# KiCad board beaglebone-ai-rev-a2.kicad_pcb (continued)
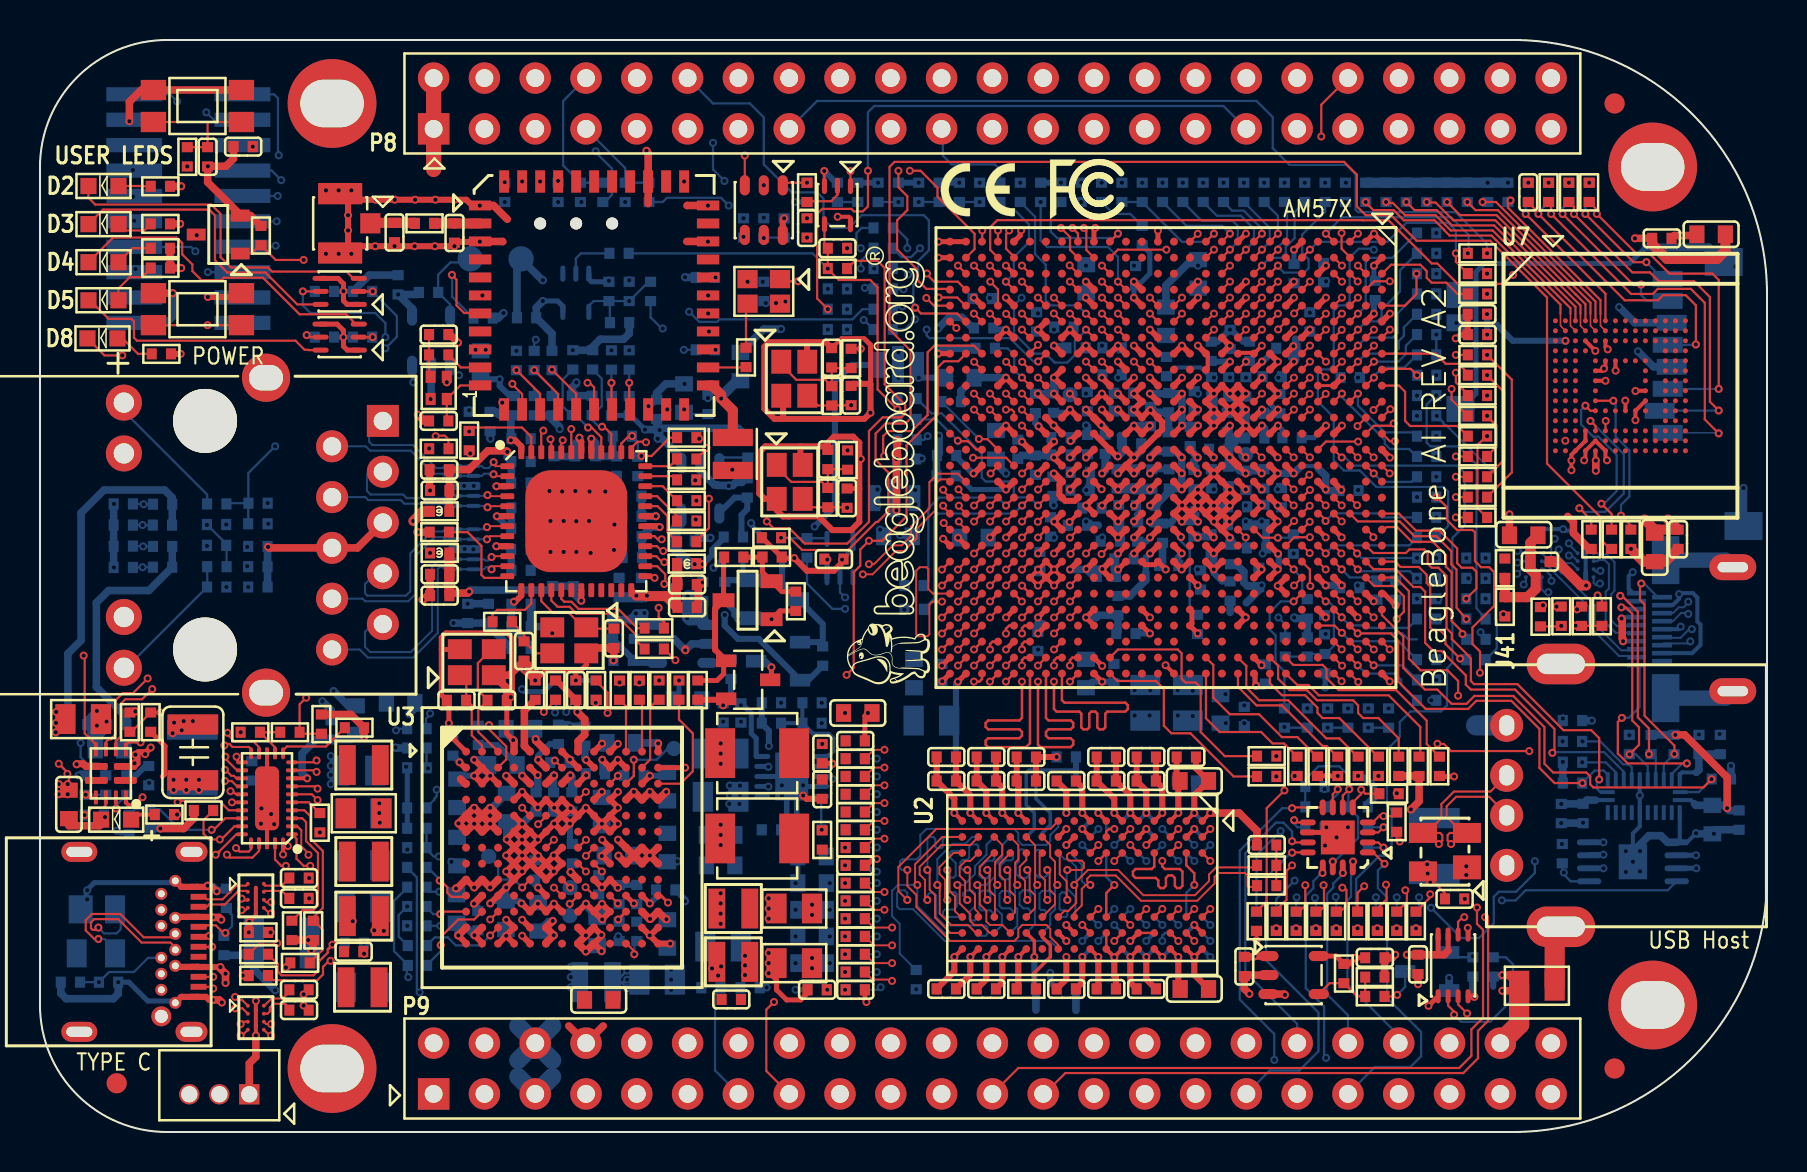
[diagram p0: board, top side]
## Routing (per net, layer and track width the routed paths; a pad name or vN(x,y) marks a point on that pad's centre or on a via; arc(x,y) is an arc through that point) (continued)
HDMI_CT_HPD: length 24.9
  TOP w0.114: v1(83.59,17.64) 83.18,17.23 77.67,17.23 77.52,17.39 77.52,17.78 77.32,17.98 75.67,17.98 75.23,18.42 75.23,20.25 73.67,21.81 71.73,21.81 71.33,21.41 70.59,21.41 69.88,22.12 69.25,22.12 68.17,23.2 68.17,24.78 67.1,25.85 U4.A24
  BOTTOM w0.114: U5.11 82.94,17 v1(83.59,17.64)
HDMI_DATA0N: length 97.8
  TOP w0.102: v1(45.93,32.14) 45.93,32.1 U4.AG17
  INT_L3 w0.102: v1(45.93,32.14) 45.75,32.14 45.67,32.22 45.67,32.51 45.44,32.74 44.78,32.74 44.37,32.34 44.37,31.41 43.55,30.58 42.85,30.58 42.39,30.12 42.39,29.62 41.86,29.08 41.1,29.08 39.57,27.56 39.57,24.34 37.49,22.25 37.49,15.9 35.66,14.08 35.66,6.68 36.83,5.51 38.12,5.51 38.61,5.03 38.61,4.29 39.52,3.38 43.21,3.38 43.85,4.03 43.85,4.48 44.63,5.26 59.18,5.26 59.92,5.99 68.48,5.99 69.75,7.26 69.75,8.23 70.84,9.32 70.84,13.46 71.5,14.12 71.5,20.45 72.95,21.89 72.95,23.63 74.98,25.67 76.09,25.67 76.45,26.03 76.45,27.14 77.36,28.04 77.36,28.92 76.99,29.29 76.61,29.29 v1(76.45,29.44)
  BOTTOM w0.102: U91.C1 76.89,28.95 76.45,29.38 v1(76.45,29.44)
HDMI_DATA0P: length 95.6
  TOP w0.102: v1(45.16,32.12) 45.16,32.07 U4.AH17
  INT_L3 w0.102: v1(45.16,32.12) 45.17,32.11 45.32,32.11 45.41,32.22 45.41,32.41 45.34,32.49 44.88,32.49 44.63,32.23 44.63,31.3 43.65,30.33 42.96,30.33 42.65,30.02 42.65,29.51 41.96,28.83 41.2,28.83 39.83,27.45 39.83,24.23 37.74,22.15 37.74,15.8 35.92,13.97 35.92,6.78 36.93,5.77 38.23,5.77 38.86,5.13 38.86,4.39 39.62,3.63 43.1,3.63 43.6,4.13 43.6,4.59 44.52,5.51 59.08,5.51 59.81,6.25 68.37,6.25 69.49,7.37 69.49,8.33 70.59,9.43 70.59,13.56 71.25,14.22 71.25,20.55 72.69,22 72.69,23.74 74.88,25.92 75.98,25.92 76.2,26.14 76.2,27.24 77.1,28.14 77.1,28.82 76.89,29.03 76.66,29.03 v1(76.45,28.83)
  BOTTOM w0.102: U91.C2 76.61,28.83 v1(76.45,28.83)
HDMI_DATA1N: length 78.3
  TOP w0.102: v1(45.95,31.32) 45.95,31.28 U4.AG18
  INT_L3 w0.102: v1(73.86,27.91) 73.86,27.72 72.43,26.29 70.86,26.29 70.28,25.71 70.28,21.77 68.98,20.47 68.73,20.47 66.7,18.44 61.57,18.44 61.19,18.06 61.19,11.3 60.07,10.19 60.07,8.36 58.64,6.93 44.2,6.93 43.4,6.14 41.08,6.14 40.87,6.35 40.87,14.66 40.46,15.07 40.46,19.81 41,20.34 41,22.28 41.68,22.96 41.68,27.52 45.07,30.91 45.54,30.91 v1(45.95,31.32)
  BOTTOM w0.102: U92.C3 74.1,28.15 73.92,27.97 73.91,27.97 v1(73.86,27.91)
HDMI_DATA1P: length 78.3
  TOP w0.102: U4.AH18 45.16,31.27 v1(45.16,31.32)
  INT_L3 w0.102: v1(74.19,27.38) 73.88,27.38 72.53,26.04 70.97,26.04 70.54,25.6 70.54,21.67 69.09,20.22 68.83,20.22 66.8,18.19 61.67,18.19 61.44,17.95 61.44,11.2 60.33,10.08 60.33,8.26 58.75,6.68 44.3,6.68 43.5,5.88 40.98,5.88 40.61,6.24 40.61,14.55 40.21,14.96 40.21,19.91 40.74,20.45 40.74,22.38 41.43,23.07 41.43,27.63 44.96,31.17 45.06,31.17 45.16,31.27 v1(45.16,31.32)
  BOTTOM w0.102: v1(74.19,27.38) 74.3,27.49 U92.C4
HDMI_DATA2N: length 76.7
  TOP w0.102: U4.AG19 45.95,30.48 v1(45.95,30.53)
  INT_L3 w0.102: v1(45.95,30.53) 45.49,30.07 45.03,30.07 42.32,27.36 42.32,20.57 41.45,19.71 41.45,7.32 41.88,6.88 42.49,6.88 43.43,7.82 44.78,7.82 45.01,7.59 58.26,7.59 59.28,8.61 59.28,10.57 60.45,11.74 60.45,18.39 61.54,19.48 66.67,19.48 68.76,21.57 68.76,25.76 69.29,26.29 69.29,26.95 69.62,27.28 72.39,27.28 72.77,27.66 72.77,28.5 73.17,28.91 73.74,28.91 v1(73.89,29.06)
  BOTTOM w0.102: v1(73.89,29.06) 74.07,29.06 74.18,28.95 U92.C1
HDMI_DATA2P: length 76.6
  TOP w0.102: v1(45.19,30.46) 45.19,30.46 45.19,30.45 45.29,30.35 45.29,30.34 U4.AH19
  INT_L3 w0.102: v1(45.19,30.46) 45.19,30.43 45.09,30.33 44.93,30.33 42.06,27.46 42.06,20.68 41.2,19.81 41.2,7.21 41.78,6.63 42.6,6.63 43.54,7.57 44.67,7.57 44.9,7.34 58.37,7.34 59.54,8.51 59.54,10.46 60.71,11.63 60.71,18.29 61.65,19.23 66.78,19.23 69.01,21.46 69.01,25.65 69.55,26.18 69.55,26.85 69.72,27.03 72.5,27.03 73.03,27.56 73.03,28.4 73.28,28.65 73.71,28.65 v1(73.89,28.47)
  BOTTOM w0.102: U92.C2 73.96,28.55 v1(73.89,28.47)
HDMI_DDC_CEC: length 21.6
  TOP w0.114: U4.B20 66.67,28.96 68.3,28.96 68.48,29.13 69.22,29.13 69.39,28.96 69.39,28.42 69.6,28.22 69.93,28.22 70.33,27.81 70.33,25.2 70.6,24.93 70.6,24.65 71.4,23.85 71.4,23.84 71.55,23.69 71.55,22.56 71.71,22.4 73.88,22.4 76.18,20.09 77.57,20.09 77.97,19.69 v1(77.97,17.63)
  BOTTOM w0.114: v1(77.97,17.63) 77.85,17.52 77.85,17.17 78.02,17 U5.24
HDMI_DDC_HPD: length 20.3
  TOP w0.114: v1(75.63,18.96) 75.73,19.06 75.73,20.16 73.76,22.13 71.55,22.13 71.3,22.38 71.3,22.83 70.08,24.05 69.67,24.05 69.27,24.46 69.27,27.03 69.04,27.25 68.68,27.25 67.79,28.14 66.69,28.14 U4.B21
  BOTTOM w0.114: v1(75.63,18.96) 75.66,18.96 75.69,19 78.22,19 79.2,18.01 U5.3
HDMI_DDC_SCL: length 22.5
  TOP w0.114: v1(77.13,17.45) 75.74,17.45 74.98,18.21 74.98,20.16 73.57,21.56 71.83,21.56 71.42,21.16 69.29,21.16 67.92,22.53 67.92,24.56 67.55,24.93 v1(65.89,24.93) U4.C25
  BOTTOM w0.114: 68.86,24.64 68.42,24.64 68.12,24.93 v1(65.89,24.93) ; U5.1 78.4,17.87 78.19,18.08 77.74,18.08 R62.2 v1(77.13,17.45)
HDMI_DDC_SDA: length 33.5
  TOP w0.114: U4.F17 63.48,32.11 63.5,32.11 63.5,32.11 v1(63.5,32.11)
  INT_L3 w0.102: v1(71.32,29.72) 71.53,29.92 71.53,32.69 71.09,33.12 68.55,33.12 67.99,32.55 64.18,32.55 63.74,32.12 63.51,32.12 v1(63.5,32.11)
  SIG_L8 w0.102: v1(77.12,18.49) 78.39,19.76 78.39,28.75 76.57,30.57 74.85,30.57 74.54,30.26 72.2,30.26 71.65,29.72 v1(71.32,29.72) 71.4,29.74
  BOTTOM w0.114: R63.2 77.13,18.48 78.3,18.48 78.8,17.99 U5.2
HDMI_LS_OE: length 32
  TOP w0.114: U4.F16 63.11,32.53 63.42,32.84 63.45,32.84 v1(63.47,32.87)
  INT_L3 w0.102: v1(63.47,32.87) 63.73,32.87 64.15,33.29 68.3,33.29 68.36,33.35 71.3,33.35 72.34,32.31 72.34,31.24 73.1,30.48 74.32,30.48 74.42,30.58 77.16,30.58 78.39,29.36 78.39,20.78 v1(77.14,19.54)
  BOTTOM w0.114: R61.2 78.02,19.53 79.17,18.39 79.45,18.39 79.6,18.23 U5.4
I2C1_SCL: length 137.6
  TOP w0.114: v1(68,14.53) 67.96,14.53 67.84,14.64 R706.1 ; R48.2 11.89,8.41 11.89,8.03 12.08,7.84 13.68,7.84 13.91,8.07 13.91,8.49 14.14,8.72 14.14,8.72 14.39,8.97 14.39,9.14 v1(14.63,9.37) 14.63,9.34 14.42,9.14 ; U4.C20 65.84,28.99 65.84,28.96 v1(65.86,28.93)
  SIG_L8 w0.102: v1(68.86,28.7) 69.47,28.09 69.47,27.46 69.65,27.28 69.98,27.28 70.84,26.42 70.84,25.63 71.2,25.27 71.42,25.27 71.58,25.12 71.58,24.17 71.6,24.15 71.6,21.64 71.04,21.08 71.04,19.23 70.08,18.26 70.08,16.1 68.5,14.53 v1(68,14.53) 68.02,14.5 68.02,13.03 68.63,12.42 68.63,11.91 68.3,11.58 68.3,9.91 68.07,9.68 67.69,9.68 67.08,9.07 67.08,6.43 66.12,5.46 52.25,5.46 51.79,5 51.79,3.89 51.26,3.35 34.47,3.35 33.81,4.01 33.81,5 33.35,5.46 19.94,5.46 17.88,7.52 16.23,7.52 14.78,6.07 14.25,6.07 14.07,6.25 14.07,8.76 14.42,9.12 14.42,9.14 14.63,9.34 v1(14.63,9.37)
  SIG_L10 w0.102: v1(18.36,11.28) 18.31,11.28 17.98,10.95 16.79,10.95 15.21,9.37 v1(14.63,9.37) 14.58,9.37 14.15,9.8 14.15,10.47 15.16,11.49 15.16,16.44 15.79,17.07 18,17.07 18.92,18 18.92,18.26 19.79,19.12 19.79,20.29 20.12,20.62 20.12,34.01 20.78,34.67 20.78,37.67 v1(20.96,37.85)
  BOTTOM w0.114: R146.1 17.93,9.78 17.93,10.85 v1(18.36,11.28) ; U9.1 20.51,38.29 v1(20.96,37.85) ; v1(65.86,28.93) 66.09,28.7 v1(68.86,28.7)
I2C1_SDA: length 125.4
  TOP w0.114: U4.C21 v1(65.89,28.13) ; v1(14.53,8.56) 14.5,8.53 14.43,8.53 14.15,8.26 14.15,7.88 13.87,7.59 11.66,7.59 11.43,7.82 R49.2
  SIG_L8 w0.102: v1(68.86,27.69) 68.86,27.38 69.24,27 69.24,26.34 69.55,26.04 70.15,26.04 70.36,25.83 70.36,25.43 70.54,25.25 70.54,19.48 68,16.94 v1(67.84,16.94) 67.67,16.94 66.57,15.85 66.57,12.12 66.4,11.94 66.4,6.63 65.68,5.92 51.56,5.92 51.1,5.46 36.5,5.46 36.04,5.92 20.82,5.92 18.99,7.75 v1(18.41,7.75)
  SIG_L10 w0.102: v1(18.41,7.75) 15.98,7.75 15.11,8.61 14.6,8.61 14.55,8.56 v1(14.53,8.56) 14.53,8.59 13.92,9.19 13.92,10.57 14.94,11.58 14.94,16.54 15.7,17.3 17.9,17.3 18.67,18.06 18.67,18.33 19.56,19.22 19.56,20.38 19.89,20.71 19.89,34.16 20.19,34.47 20.19,36.7 19.41,37.49 v1(18.67,37.49)
  BOTTOM w0.114: v1(18.41,7.75) 18.34,7.82 18.34,8.28 R145.1 ; R145.1 18.39,8.36 17.7,9.04 17.7,9.67 17.69,9.68 17.69,10.95 17.7,10.96 17.7,11.56 18.36,12.22 R149.1 ; R145.1 18.35,8.33 ; v1(65.89,28.13) 65.99,28.04 68.5,28.04 v1(68.86,27.69) ; v1(18.67,37.49) 18.61,37.55 U9.3
INT_ADC: length 67.4
  TOP w0.114: v1(40.34,22.86) 40.69,23.22 40.69,27.99 41.02,28.32 41.02,29.13 v1(41.45,29.57) 42.11,29.57 43.33,30.78 43.33,34.34 44.89,35.9 44.89,38.23 45.21,38.54 45.92,38.54 U4.AG8 ; v1(67.18,14.22) 66.93,14.48 66.4,14.48 U78.2
  SIG_L10 w0.102: v1(40.34,22.86) 40.34,21.62 40.72,21.23 40.72,15.52 41.02,15.21 41.02,7.37 41.53,6.86 42.99,6.86 44.45,8.32 50.74,8.32 51.12,7.94 58.42,7.94 61.21,10.73 65.21,10.73 66.6,12.12 66.6,13.64 v1(67.18,14.22)
  BOTTOM w0.114: R567.2 v1(67.18,14.22)
INT_TYPEC: length 71.3
  TOP w0.114: U4.AE6 v1(47.5,40.93)
  INT_L3 w0.102: v1(18.95,36.45) 20.14,35.26 20.14,28.78 18.06,26.7 16,26.7 14.88,25.58 14.17,25.58 13.54,24.95 13.54,22.68 12.93,22.07 12.93,21.42 10.24,18.73 10.24,16.33 9.88,15.98 8.15,15.98 7.67,15.49 6.48,15.49 6.38,15.6 4.37,15.6 v1(3.84,15.06) ; v1(22,36.55) 22,36.25 22.58,35.66 25.04,35.66 25.65,36.27 25.65,37.39 26.06,37.8 26.06,39.98 28.02,41.94 32.41,41.94 32.77,42.29 34.04,42.29 34.29,42.04 38.1,42.04 38.35,41.78 41.35,41.78 43.36,39.78 47.17,39.78 47.5,40.11 v1(47.5,40.93)
  SIG_L5 w0.102: v1(22,36.55) 22,36.12 21.53,35.65 19.75,35.65 v1(18.95,36.45)
  BOTTOM w0.114: v1(3.84,15.06) 4,14.9 R69.2
J14_MCASP_FSR: length 22.4
  TOP w0.114: R669.1 v1(75.83,26.28) ; U4.J14 v1(61.09,33.73)
  INT_L3 w0.102: v1(61.09,33.73) 61.51,33.32 63.6,33.32 64.41,34.14 71.93,34.14 72.57,33.5 72.57,32.04 73.15,31.46 v1(73.2,31.46)
  SIG_L10 w0.102: v1(75.83,26.28) 75.94,26.38 75.94,27.84 75.39,28.4 75.39,30.36 74.42,31.32 73.3,31.32 73.2,31.42 v1(73.2,31.46)
JTAG_EMU0: length 64.9
  TOP w0.114: U4.G21 v1(62.69,28.13)
  SIG_L8 w0.102: v1(62.69,28.13) 62.69,28.24 62.29,28.64 62.29,29.08 62.04,29.34 61.72,29.34 60.71,30.35 60.71,30.67 60.45,30.92 60.13,30.92 59.88,31.18 59.88,31.5 59.63,31.75 59.33,31.75 59.08,32 59.08,32.3 58.84,32.54 58.52,32.54 58.29,32.77 58.29,33.08 58.04,33.34 57.72,33.34 57.47,33.59 57.47,33.91 55.64,35.74 55.35,35.74 55.12,35.97 55.12,36.26 54.85,36.53 49.71,36.53 49.48,36.75 49.48,37.21 49.33,37.36 48.06,37.36 47.85,37.57 45.95,37.57 45.52,37.13 43.36,37.13 43.31,37.19 42.76,37.19 42.37,37.58 42.1,37.85 41.72,37.85 39.18,37.85 35.05,37.85 34.42,38.48 33.53,38.48 33.02,38.99 33.02,39.22 31.34,40.89 24.07,40.89 23.62,41.34 12.92,41.34 11.84,42.42 11.84,44.27 v1(11.79,44.32)
  BOTTOM w0.114: v1(62.69,28.13) 62.69,28.11 63.12,27.69 63.12,26.9 R192.1 ; v1(11.79,44.32) 11.73,44.27 P2.13
JTAG_EMU1: length 75.8
  TOP w0.114: U4.D24 v1(65.09,25.73)
  SIG_L8 w0.102: v1(65.09,25.73) 64.71,25.35 62.53,25.35 62.33,25.55 62.33,26.01 62.18,26.16 61.19,26.16 59.88,27.47 59.88,29.91 59.69,30.1 59.37,30.1 59.12,30.35 59.12,30.67 58.86,30.92 58.55,30.92 58.29,31.18 58.29,31.5 58.1,31.69 57.78,31.69 57.53,31.94 57.53,32.26 57.28,32.51 56.71,32.51 55.88,33.34 55.37,33.34 55.12,33.59 55.12,34.1 54.29,34.93 52.2,34.93 51.66,35.46 51.26,35.46 50.95,35.76 48.13,35.76 47.88,36.02 47.88,36.35 47.73,36.5 46.46,36.5 46.28,36.68 43.17,36.68 43.12,36.73 42.57,36.73 41.91,37.39 40.31,37.39 34.86,37.39 34.28,37.97 33.32,37.97 32.63,38.67 32.13,38.67 30.48,40.32 22.73,40.32 22.29,40.77 12.8,40.77 9.52,44.04 v1(7.77,44.04)
  BOTTOM w0.114: v1(65.09,25.73) 65.49,25.34 66.23,25.34 66.36,25.21 68.41,25.21 R180.1 ; v1(7.77,44.04) 7.56,44.26 4.72,44.26 P2.14
JTAG_RTCK: length 76.9
  SIG_L10 w0.102: v1(69.82,30.73) 69.79,30.73 69.46,31.06 69.46,32.19 68.64,33.01 68.64,34.93 68.39,35.18 68.39,36.26 67.59,37.06 67.59,39.52 67.94,39.88 67.94,41.47 67.13,42.28 67.13,43.48 66.9,43.71 64.49,43.71 63.65,44.55 63.65,48.51 63.02,49.15 36.45,49.15 35.23,47.93 12.9,47.93 11.89,46.91 v1(11.89,46.81)
  BOTTOM w0.114: P2.9 v1(11.89,46.81)
JTAG_TCK: length 86.4
  SIG_L10 w0.102: v1(66.7,44.12) 64.47,44.12 63.91,44.68 63.91,48.64 63.17,49.38 36.35,49.38 35.14,48.16 11.81,48.16 11.43,47.78 11.43,45.97 11.84,45.57 v1(11.84,45.54)
  BOTTOM w0.114: R200.2 70.42,30.31 70.42,32.02 70.18,32.26 66.82,32.26 66,33.08 65.2,33.08 64.69,33.59 64.69,35.74 63.9,36.53 63.9,37.9 64.13,38.14 64.47,38.14 64.69,38.36 64.69,41.06 64.97,41.34 65.26,41.34 65.49,41.56 65.49,43.72 65.94,44.17 66.6,44.17 66.65,44.12 v1(66.7,44.12) ; P2.11 v1(11.84,45.54)
JTAG_TDI: length 76.2
  TOP w0.114: U4.D23 v1(65.09,26.53)
  SIG_L8 w0.102: v1(65.09,26.53) 65.09,26.51 64.74,26.16 62.51,26.16 62.28,26.39 61.49,26.39 60.68,27.2 60.68,29.93 60.52,30.1 60.2,30.1 59.88,30.42 59.88,30.67 59.63,30.92 59.37,30.92 59.12,31.18 59.12,31.5 58.92,31.7 58.6,31.7 58.29,32 58.29,32.26 58.04,32.51 57.78,32.51 57.53,32.77 57.53,33.02 57.21,33.34 56.77,33.34 55.12,34.99 55.12,35.53 54.89,35.76 51.33,35.76 50.8,36.3 49.53,36.3 49.3,36.53 48.06,36.53 47.9,36.68 47.9,37.13 47.73,37.31 46.08,37.31 45.67,36.91 43.26,36.91 43.21,36.96 42.67,36.96 42.01,37.62 40.41,37.62 34.96,37.62 34.35,38.23 33.4,38.23 32.73,38.9 32.73,39.18 31.31,40.6 22.9,40.6 22.48,41.02 12.88,41.02 11.3,42.6 11.3,45.97 8.32,48.96 v1(8.32,50.99)
  BOTTOM w0.114: P2.3 8.69,50.62 v1(8.32,50.99)
JTAG_TDO: length 66
  TOP w0.114: U4.F19 v1(63.49,30.52)
  SIG_L8 w0.102: v1(12.06,47.6) 12.73,46.94 12.73,43.38 13.08,43.03 19.79,43.03 20.35,42.47 21.16,42.47 22.02,43.33 29.62,43.33 33.38,39.57 34.17,39.57 35.38,38.35 40.32,38.35 41.38,38.35 43.12,38.35 43.4,38.07 43.78,38.07 46.81,38.07 47.68,38.94 49.38,38.94 49.48,38.84 49.48,38.35 49.71,38.13 54.88,38.13 55.12,37.89 55.12,37.59 55.37,37.34 55.63,37.34 56.74,36.23 56.74,35.97 56.96,35.75 57.28,35.75 57.53,35.5 57.53,35.18 58.61,34.1 58.86,34.1 59.05,33.91 59.05,33.58 60.12,32.51 60.45,32.51 60.71,32.26 60.71,32 60.96,31.75 61.21,31.75 61.47,31.5 61.47,31.24 61.79,30.92 63.08,30.92 v1(63.49,30.52)
  BOTTOM w0.114: P2.7 11.58,48.08 v1(12.06,47.6)
JTAG_TMS: length 72.9
  TOP w0.114: U4.F18 v1(63.49,31.32)
  SIG_L8 w0.102: v1(34.23,47.56) 34.44,47.78 37.12,47.78 38.04,46.86 44.83,46.86 46.96,44.73 50.07,44.73 50.58,44.22 55.04,44.22 55.75,43.52 56.58,43.52 56.8,43.74 58.05,43.74 59.12,42.67 59.12,39.18 59.37,38.93 59.63,38.93 59.88,38.67 59.88,38.42 60.2,38.1 60.48,38.1 60.71,37.87 60.71,37.59 60.96,37.34 61.21,37.34 61.47,37.08 61.47,36.7 61.65,36.53 62.03,36.53 62.29,36.26 62.29,35.93 64.72,33.5 64.72,31.96 64.74,31.94 64.74,31.15 64.52,30.92 63.88,30.92 63.49,31.31 v1(63.49,31.32)
  SIG_L10 w0.102: v1(11.94,48.84) 11.94,48.82 12.09,48.67 32.85,48.67 v1(33.66,49.47)
  BOTTOM w0.114: v1(34.23,47.56) 33.66,48.13 v1(33.66,49.47) ; P2.1 11.7,51.89 11.9,51.7 11.9,49.04 11.94,49 v1(11.94,48.84)
JTAG_TRSTn: length 81.1
  TOP w0.114: U4.D20 65.07,28.95 v1(65.07,28.93)
  INT_L3 w0.102: v1(65.07,28.93) 65.11,28.93 65.53,28.51 66.64,28.51 68.48,26.67 v1(68.86,26.67)
  SIG_L8 w0.102: v1(65.07,28.93) 65.06,28.93 64.66,29.34 62.8,29.34 61.98,30.16 61.72,30.16 61.53,30.35 61.53,30.65 61.24,30.94 60.95,30.94 60.71,31.18 60.71,31.5 60.45,31.75 60.13,31.75 59.88,32 59.88,32.26 58.8,33.34 58.55,33.34 58.29,33.59 58.29,33.91 58.09,34.11 57.77,34.11 56.71,35.18 56.71,35.47 55.66,36.51 55.37,36.51 55.12,36.77 55.12,37.08 54.84,37.36 49.68,37.36 49.48,37.57 49.48,38 49.35,38.13 47.22,38.13 46.94,37.85 45.82,37.85 45.34,37.36 43.45,37.36 43.31,37.51 43.31,37.84 43.02,38.13 40.62,38.13 35.21,38.13 34.85,38.48 34.57,38.76 33.63,38.76 33.27,39.12 33.27,39.32 29.54,43.05 22.12,43.05 21.11,42.04 20.24,42.04 19.61,42.67 12.95,42.67 12.47,43.15 12.47,45.54 9.33,48.68 9.33,51.24 9.04,51.54 v1(6.86,51.54)
  BOTTOM w0.114: v1(6.86,51.54) 6.5,51.89 P2.2
MCASP2_ACLKX: length 55.3
  SIG_L5 w0.102: v1(72.03,24.99) 72.01,24.97 71.81,24.97 71.48,25.3 71.12,25.3 70.74,25.68 70.74,29.29 69.82,30.2 67.61,30.2 66.09,31.72 65.56,31.72 65.46,31.62 65.46,30.28 65.3,30.12 46.89,30.12 45.9,29.13 41.33,29.13 40.74,29.72 40.74,32.05 40.64,32.16 39.5,32.16 33.16,38.49 32.14,38.49 31.8,38.84 31.8,39.32 32.46,39.98 33.36,39.98 33.41,40.03 v1(33.45,40.03)
  BOTTOM w0.114: R608.2 72.29,24.74 v1(72.03,24.99)
MCASP2_AXR0: length 44
  SIG_L5 w0.102: v1(33.41,40.93) 34.16,40.18 34.16,38.77 40.01,32.92 40.96,32.92 41.38,32.51 41.38,31.18 41.82,30.73 43.84,30.73 44.83,31.72 57.3,31.72 57.34,31.69 60.07,31.69 60.13,31.75 63.75,31.75 63.91,31.9 63.91,32.54 64.69,33.32 67.79,33.32 68.35,32.77 v1(69.82,32.77)
MCASP2_AXR1: length 43.5
  TOP w0.114: U4.A15 v1(67.49,32.93)
  SIG_L5 w0.102: v1(67.49,32.93) 67.1,32.54 65,32.54 64.72,32.26 64.72,31.04 64.62,30.94 44.98,30.94 43.54,29.49 42.09,29.49 41.02,30.56 41.02,32.13 40.72,32.44 39.75,32.44 33.07,39.12 v1(32.19,39.12)
  BOTTOM w0.114: R610.2 v1(32.19,39.12)
MCASP2_FSX: length 50.9
  SIG_L5 w0.102: v1(33.41,41.83) 34.57,40.68 34.57,38.84 40.18,33.22 44.17,33.22 44.26,33.32 48.42,33.32 48.66,33.08 48.66,32.75 48.87,32.54 62.81,32.54 63.08,32.8 63.08,33.16 63.2,33.27 64.06,33.27 64.95,34.16 67.61,34.16 68.63,33.15 70.13,33.15 70.41,32.87 70.41,30.02 70.97,29.46 70.97,27.46 71.37,27.05 71.86,27.05 72.24,26.67 v1(72.29,26.67)
MDIO_CLK: length 92
  TOP w0.114: U4.V1 v1(53.9,44.93) ; R117.1 31.22,24.16 v1(31.78,23.6)
  SIG_L5 w0.102: v1(31.78,23.6) 31.57,23.6 29.84,25.32 24.03,25.32 23.15,24.45 16.9,24.45 16.26,25.1 16.26,37.67 15.16,38.76 12.98,38.76 11.94,39.8 11.94,43.23 13.21,44.5 13.21,46.74 14.25,47.78 22.33,47.78 22.99,47.12 35.62,47.12 35.81,46.93 53.47,46.93 53.9,46.49 v1(53.9,44.93)
  BOTTOM w0.114: R24.1 50.55,46 50.55,45.02 50.86,44.7 53.68,44.7 v1(53.9,44.93)
MDIO_D: length 82.6
  TOP w0.114: U4.U4 v1(53.9,42.53) ; v1(30.94,26.21) 30.94,25.76 31.2,25.49 R116.1
  SIG_L5 w0.102: v1(50.04,46.51) 49.68,46.15 34.98,46.15 34.54,45.72 30.86,45.72 29.84,44.7 23.44,44.7 22.24,43.5 13.63,43.5 12.32,42.19 12.32,39.85 13.13,39.04 15.44,39.04 18.01,36.47 18.01,26.14 19.33,24.82 23.16,24.82 23.9,25.55 30.58,25.55 30.94,25.91 v1(30.94,26.21)
  BOTTOM w0.114: v1(50.04,46.51) 50.04,44.58 50.36,44.26 53.4,44.26 53.9,43.76 v1(53.9,42.53)
MMC1_CLK: length 60.4
  TOP w0.114: C473.1 74.42,46.48 74.93,45.97 v1(74.93,45.91) 79.25,41.59 80.9,41.59 81.15,41.85 82.3,41.85 82.8,41.34 v1(82.8,39.38)
  SIG_L5 w0.102: v1(49.02,47.47) 49,47.5 49,50.52 49.59,51.12 75.83,51.12 76.57,50.38 76.57,49.49 78.87,47.19 78.87,42.23 80.9,40.2 81.99,40.2 v1(82.8,39.38)
  BOTTOM w0.114: J90.5 82.79,39.37 v1(82.8,39.38) 82.79,39.4 ; v1(74.93,45.91) 74.93,46 R421.2
MMC1_CMD: length 54.9
  TOP w0.114: R420.2 77.85,46.13 v1(77.85,45.91) 79.82,43.94 80.47,43.94 81.48,42.93 83.63,42.93 83.95,42.61 v1(83.95,37.16) ; U4.Y6 v1(51.5,40.93)
  SIG_L5 w0.102: v1(51.5,40.93) 51.09,40.51 50.55,40.51 50.29,40.77 50.29,43.62 50.8,44.13 54.17,44.13 54.74,44.7 54.74,48.13 55.75,49.15 75.56,49.15 76.81,47.9 76.81,46.95 v1(77.85,45.91)
  BOTTOM w0.114: v1(83.95,37.16) 81.4,37.16 J90.3
MMC1_DATA0: length 41.7
  TOP w0.114: v1(80.06,42.38) 80.04,42.35 79.69,42.35 v1(76.14,45.91) ; v1(50.7,40.93) 50.7,40.93 U4.AA6
  SIG_L5 w0.102: v1(76.14,45.91) 75.76,45.53 74.17,45.53 73.94,45.76 73.94,47.66 73.47,48.13 58.1,48.13 57.53,47.56 57.53,43.97 56.21,42.65 55.45,42.65 54.94,42.14 53.72,42.14 53.52,41.94 53.52,41.61 53.21,41.31 51.09,41.31 50.71,40.93 v1(50.7,40.93)
  BOTTOM w0.114: v1(76.14,45.91) 76.14,46.19 R422.2 ; v1(80.06,42.38) 80.06,41.86 80.35,41.57 J90.7
MMC1_DATA1: length 39.5
  TOP w0.114: v1(77.28,45.91) 79.69,43.5 v1(80.33,43.5) ; U4.Y4 v1(51.5,42.53)
  SIG_L5 w0.102: v1(77.28,45.91) 75.79,47.4 75.79,47.78 74.68,48.9 56.52,48.9 55.5,47.88 55.5,45.01 54.31,43.81 51.37,43.81 51.05,43.5 51.05,42.86 51.39,42.53 v1(51.5,42.53)
  BOTTOM w0.114: v1(80.33,43.5) 81.16,42.67 J90.8 ; v1(77.28,45.91) 77.28,46.32 R423.2
MMC1_DATA2: length 52.2
  TOP w0.114: U4.AA5 v1(50.7,41.73) ; R418.2 75.56,46.38 v1(75.56,45.91) 79.57,41.91 80.65,41.91 80.9,42.16 82.55,42.16 83.25,41.47 83.25,35.64 v1(83.95,34.94)
  SIG_L5 w0.102: v1(75.56,45.91) 74.8,46.67 74.8,47.75 74.17,48.39 57.34,48.39 56.77,47.82 56.77,43.79 55.91,42.93 53.7,42.93 53.49,42.72 53.49,42.35 53.24,42.1 51.08,42.1 v1(50.7,41.73)
  BOTTOM w0.081: J90.1 83.92,34.97 v1(83.95,34.94)
MMC1_DATA3: length 49.7
  TOP w0.114: R419.2 76.71,46.25 v1(76.71,45.91) 79.63,42.99 80.51,42.99 80.95,42.55 82.72,42.55 83.5,41.76 83.5,36.53 v1(83.95,36.08) ; U4.Y3 v1(51.49,43.34)
  SIG_L5 w0.102: v1(51.49,43.34) 51.93,42.9 53.29,42.9 53.97,43.59 54.41,43.59 55.14,44.32 55.75,44.32 56.52,45.09 56.52,48.01 57.15,48.64 74.36,48.64 75.08,47.92 75.08,47.16 75.43,46.81 75.81,46.81 v1(76.71,45.91)
  BOTTOM w0.114: J90.2 81.01,36.08 v1(83.95,36.08)
MMC1_SDCD: length 43.6
  TOP w0.114: U4.W7 v1(52.3,40.13)
  SIG_L5 w0.102: v1(52.3,40.13) 52.57,39.86 52.57,39.82 52.67,39.73 54.05,39.73 54.97,40.64 54.97,41.05 55.24,41.33 57.56,41.33 57.91,40.97 57.91,39.95 58.93,38.94 63.65,38.94 64.42,39.71 66.97,39.71 67.22,39.46 68.49,39.46 69.06,38.89 69.75,38.89 70.15,38.48 70.99,38.48 71.25,38.74 71.25,40.04 v1(70.83,40.46)
  SIG_L8 w0.102: v1(39.4,42.16) 39.43,42.16 39.85,42.58 39.85,43.21 40.18,43.54 44.58,43.54 46,42.11 48.69,42.11 v1(49.09,41.72)
  BOTTOM w0.081: v1(70.83,40.46) 70.83,40.47 J90.9
  BOTTOM w0.114: v1(49.09,41.72) 48.7,41.34 48.7,39.94 49.72,38.93 50.29,38.93 50.74,38.48 51.37,38.48 51.75,38.86 51.75,39.54 52.3,40.1 v1(52.3,40.13)
MMC4_CLK: length 52.2
  TOP w0.114: U37.17 27.71,37.24 27.48,37.47 v1(27.38,37.47)
  SIG_L8 w0.102: v1(27.38,37.47) 27.48,37.47 28.42,36.53 29.2,36.53 29.97,35.75 40.01,35.75 40.23,35.53 40.61,35.15 41.81,35.15 42.72,34.24 43.28,34.24 43.41,34.37 45.14,34.37 46.2,33.3 46.89,33.3 47.14,33.05 47.14,32.69 47.29,32.54 49.25,32.54 49.5,32.28 49.5,31.95 49.71,31.75 50.86,31.75 51.94,30.67 51.94,30.35 52.17,30.12 54.08,30.12 54.29,29.91 54.29,29.59 54.55,29.34 54.86,29.34 55.12,29.08 55.12,28.77 60.9,22.99 62.53,22.99 63.68,21.84 68.05,21.84 v1(69.82,23.62)
MMC4_CMD: length 55
  TOP w0.114: U37.16 26.81,36.92 v1(25.6,38.13)
  SIG_L8 w0.102: v1(69.57,21.59) 60.6,21.59 59.97,22.23 59.97,23.41 54.86,28.51 54.61,28.51 54.29,28.83 54.29,29.15 54.1,29.34 52.5,29.34 51.74,30.1 51.26,30.1 51.1,30.25 51.1,30.73 50.9,30.94 49.76,30.94 49.48,31.22 49.48,31.57 49.33,31.72 48.16,31.72 47.9,31.98 47.12,31.98 44.96,34.14 43.51,34.14 43.38,34.01 42.62,34.01 41.71,34.93 40.51,34.93 40.13,35.31 40.13,35.31 39.94,35.5 29.65,35.5 28.88,36.27 27.46,36.27 v1(25.6,38.13)
  BOTTOM w0.114: R581.1 v1(69.57,21.59)
MMC4_DATA0: length 50.8
  TOP w0.114: v1(65.09,22.54) 65.08,22.54 64.7,22.92 U4.D28
  SIG_L8 w0.102: v1(65.09,22.54) 64.19,23.44 63.89,23.44 63.79,23.34 63.79,22.76 63.69,22.66 63.49,22.66 63.39,22.76 63.39,23.34 63.28,23.44 61.49,23.44 61.04,23.9 60.81,23.9 56.71,28 56.71,28.28 56.44,28.55 56.16,28.55 55.88,28.83 55.88,29.08 55.63,29.34 55.37,29.34 55.12,29.59 55.12,29.91 54.88,30.15 54.56,30.15 54.29,30.42 54.29,30.67 54.04,30.92 52.13,30.92 50.83,32.23 50.32,32.23 50.06,32.49 49.68,32.49 49.5,32.66 49.5,33.17 49.33,33.35 47.32,33.35 47.09,33.58 47.09,33.81 46.79,34.11 45.75,34.11 45.47,34.39 45.47,34.95 45.14,35.28 43.79,35.28 43.56,35.05 42.34,35.05 42.01,35.38 40.7,35.38 40.08,36 33.27,36 32.5,36.78 28.63,36.78 27.62,37.78 27.62,38.13 27.72,38.23 28.3,38.23 28.4,38.33 28.4,38.53 28.3,38.63 27.72,38.63 27.62,38.74 27.62,38.96 27.75,39.09 v1(28.58,39.09)
MMC4_DATA1: length 50.7
  TOP w0.114: U4.D26 v1(65.09,24.13)
  SIG_L8 w0.102: v1(65.09,24.13) 65.04,24.19 61.53,24.19 61.26,24.46 60.93,24.46 60.77,24.63 60.77,24.77 60.97,24.97 60.97,25.12 60.82,25.26 60.68,25.26 60.48,25.06 60.34,25.06 59.61,25.78 59.61,25.92 59.78,26.08 59.78,26.23 59.63,26.37 59.46,26.37 59.31,26.22 59.17,26.22 58.79,26.6 58.79,27.5 58.32,27.97 58.32,28.73 57.51,29.55 57.51,29.87 57.21,30.16 56.96,30.16 56.71,30.42 56.71,30.54 56.32,30.92 55.37,30.92 55.12,31.18 55.12,31.5 54.86,31.75 54.55,31.75 54.29,32 54.29,32.26 54.04,32.51 52.93,32.51 52.73,32.72 52.73,33.2 52.6,33.32 50.5,33.32 49.99,33.83 48.62,33.83 47.19,35.26 46.2,35.26 45.67,35.79 43.54,35.79 43.28,35.53 42.54,35.53 42.06,36.01 42.06,36.26 41.62,36.7 40.03,36.7 34.58,36.7 34.07,37.21 33.05,37.21 32.49,37.77 31.34,37.77 31.22,37.9 31.22,38.25 31.11,38.35 30.91,38.35 30.81,38.25 30.81,37.67 30.71,37.57 30.51,37.57 30.4,37.67 30.4,39.16 30.28,39.28 30.12,39.28 30,39.16 30,37.87 29.9,37.77 29.67,37.77 29.46,37.97 v1(29.46,39.09)
MMC4_DATA2: length 51.9
  TOP w0.114: v1(65.11,23.32) U4.D27
  SIG_L8 w0.102: v1(23.83,39.07) 24.92,39.07 25.4,39.54 28.78,39.54 28.96,39.37 28.96,37.4 29.32,37.03 32.57,37.03 33.34,36.26 40.15,36.26 40.8,35.61 42.14,35.61 42.47,35.28 43.41,35.28 43.66,35.53 45.59,35.53 46.1,35.03 47.09,35.03 48.51,33.6 49.89,33.6 50.27,33.22 50.27,32.72 50.47,32.51 52.45,32.51 52.71,32.26 52.71,31.85 52.86,31.7 54.09,31.7 54.32,31.46 54.32,31.15 54.51,30.96 54.83,30.96 55.12,30.67 55.12,30.35 55.31,30.16 55.69,30.16 56.71,29.15 56.71,28.77 56.9,28.58 57.21,28.58 57.51,28.28 57.51,27.97 57.72,27.75 58.04,27.75 58.37,27.42 58.37,26.7 60.88,24.18 61.16,24.18 61.59,23.75 64.68,23.75 v1(65.11,23.32)
MMC4_DATA3: length 52.9
  TOP w0.114: U4.C28 v1(65.92,22.51)
  SIG_L8 w0.102: v1(65.92,22.51) 66.25,22.84 66.25,24.28 66.02,24.52 62.12,24.52 59.18,27.46 59.18,28.96 58.8,29.34 58.55,29.34 58.29,29.59 58.29,29.9 58.04,30.15 57.73,30.15 57.53,30.35 57.53,30.61 57.21,30.92 56.96,30.92 56.32,31.56 55.82,31.56 55.63,31.75 55.37,31.75 55.12,32 55.12,32.26 54.86,32.51 54.58,32.51 54.31,32.79 54.31,33.17 54.15,33.32 53.35,33.32 52.51,34.16 48.62,34.16 47.29,35.48 46.41,35.48 45.82,36.07 43.41,36.07 43.13,35.79 42.73,35.79 42.52,36 42.52,36.13 41.71,36.93 40.12,36.93 34.67,36.93 34.14,37.47 33.15,37.47 32.54,38.07 31.97,38.07 30.23,39.81 24.98,39.81 v1(24.79,39.62)